# KiCad board helios-panel.kicad_pcb (continued)
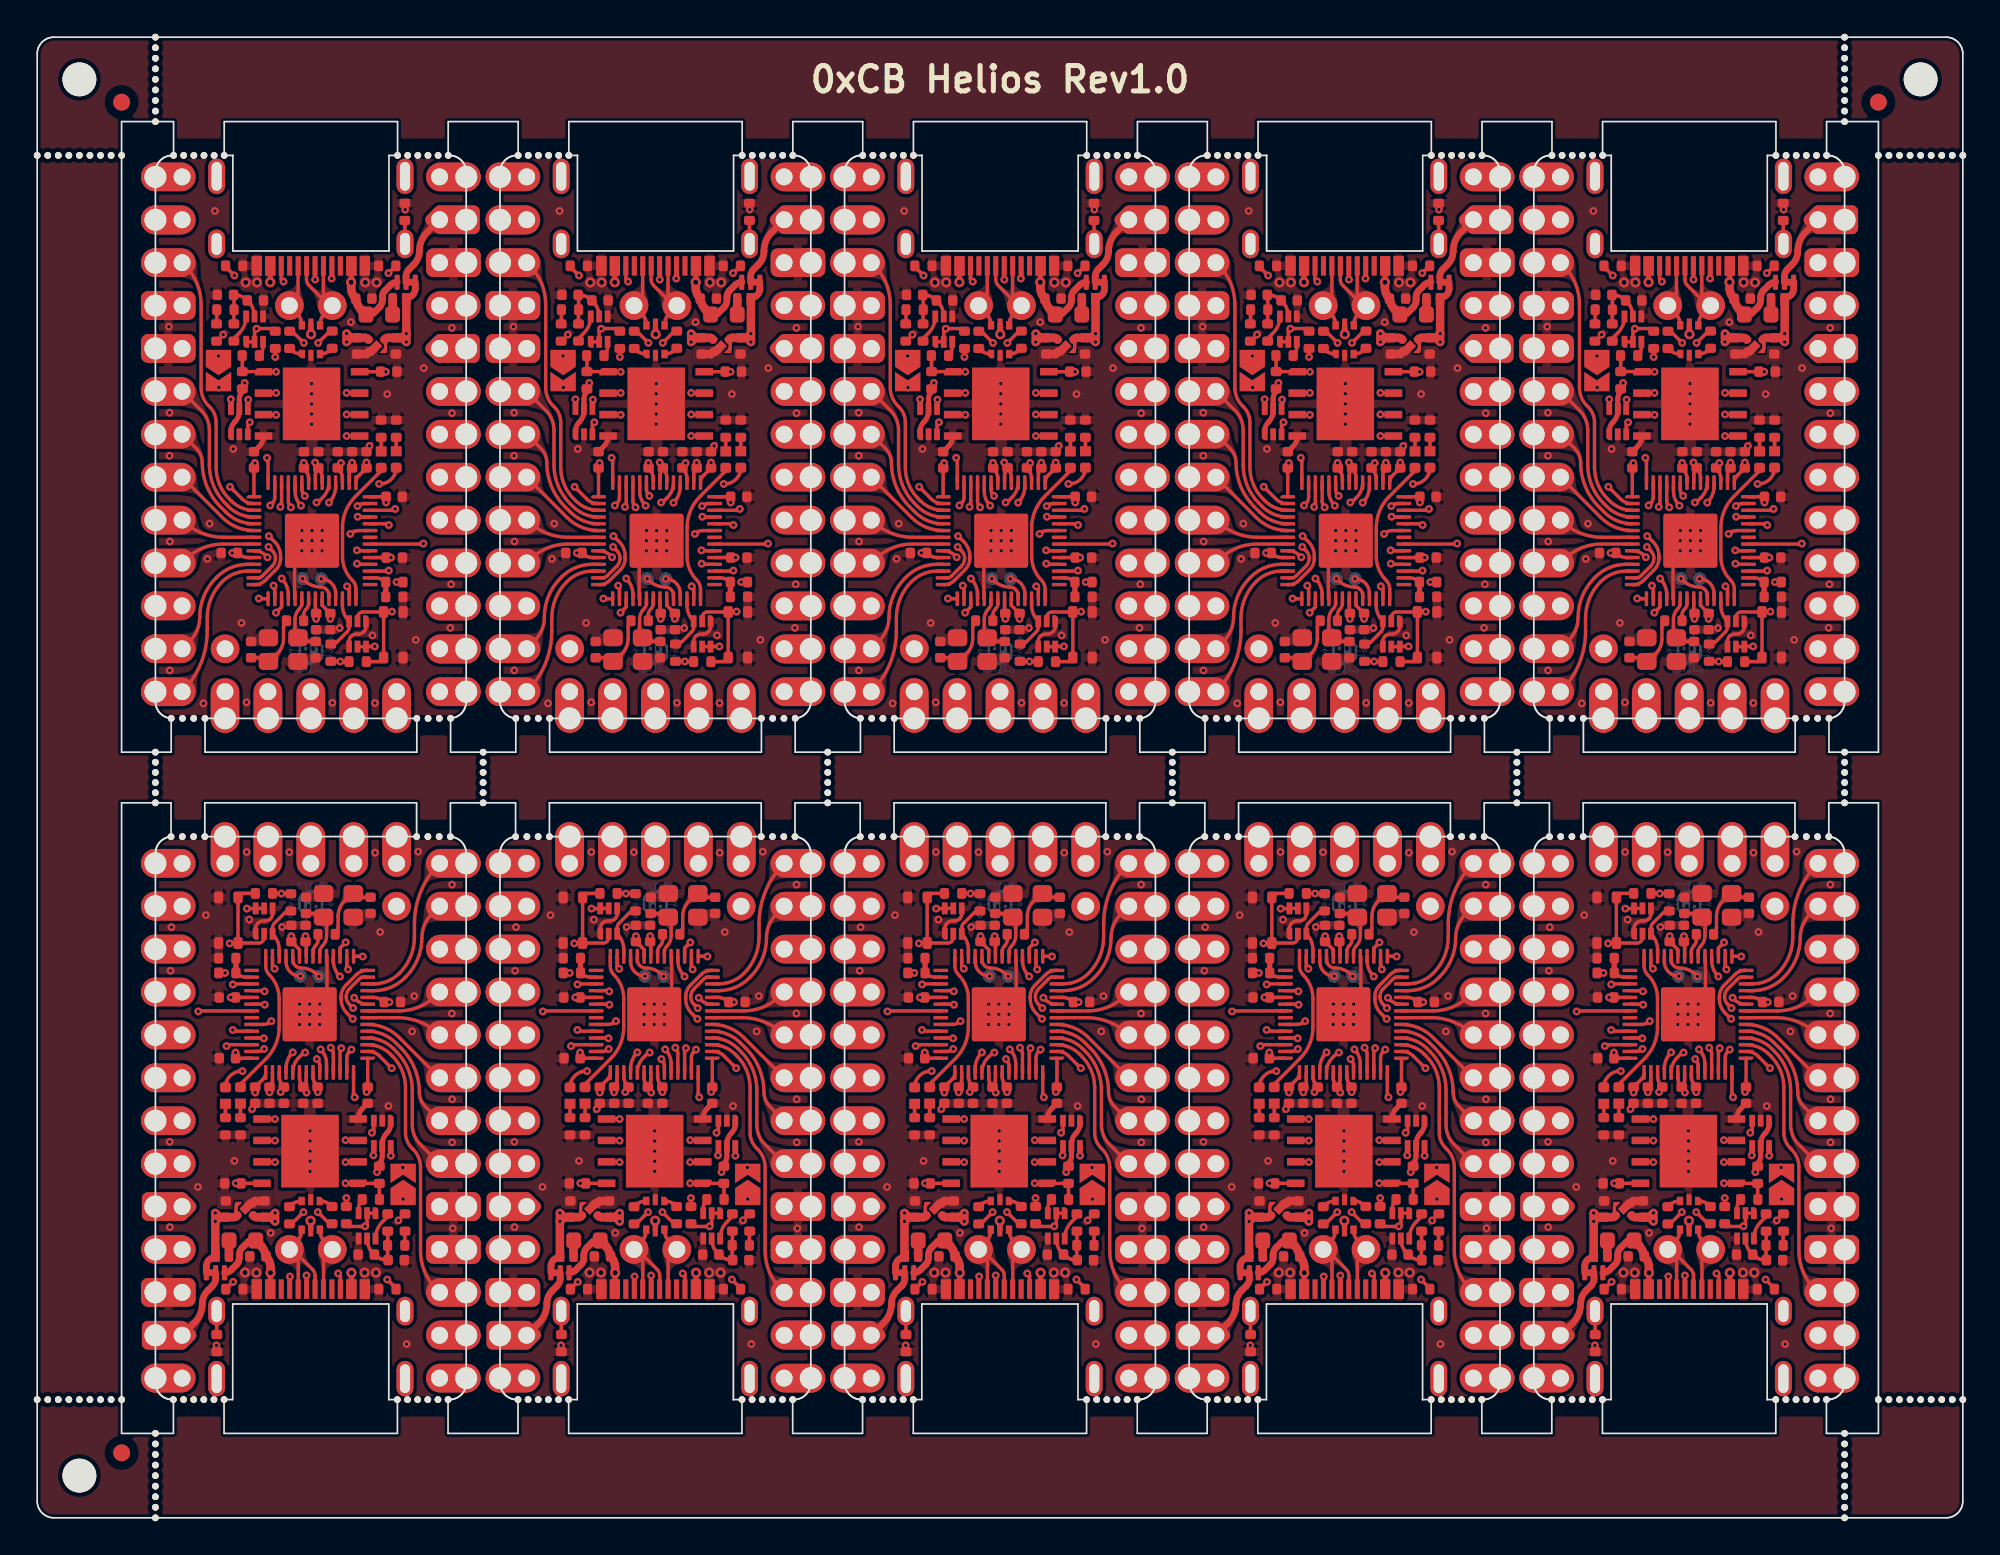
[diagram p0: board, top side]
## Footprints (pads in the part's own frame, mm; a bottom-side part is the same pattern mirrored in y, then rotated) (continued)
NPTH
  round 0.4 hole 0.4 unplated: (0,0)
NPTH#2
  round 2 hole 2 unplated: (0,0)
R_0402_1005Metric
  rrect 0.54x0.64 smd: 1(-0.51,0) 2(0.51,0)
RP2040-QFN-56
  rrect 1.084x1.084 smd: (-0.637,0.637) (-0.637,-0.637) (0.637,0.637) (0.637,-0.637)
  rrect 0.875x0.2 smd: 1(-3.438,2.6) 2(-3.438,2.2) 3(-3.438,1.8) 4(-3.438,1.4) 5(-3.438,1) 6(-3.438,0.6) 7(-3.438,0.2) 8(-3.438,-0.2) 9(-3.438,-0.6) 10(-3.438,-1) 11(-3.438,-1.4) 12(-3.438,-1.8) 13(-3.438,-2.2) 14(-3.438,-2.6) 29(3.438,-2.6) 30(3.438,-2.2) 31(3.438,-1.8) 32(3.438,-1.4) 33(3.438,-1) 34(3.438,-0.6) 35(3.438,-0.2) 36(3.438,0.2) 37(3.438,0.6) 38(3.438,1) 39(3.438,1.4) 40(3.438,1.8) 41(3.438,2.2) 42(3.438,2.6)
  rrect 0.2x0.875 smd: 15(-2.6,-3.438) 16(-2.2,-3.438) 17(-1.8,-3.438) 18(-1.4,-3.438) 19(-1,-3.438) 20(-0.6,-3.438) 21(-0.2,-3.438) 22(0.2,-3.438) 23(0.6,-3.438) 24(1,-3.438) 25(1.4,-3.438) 26(1.8,-3.438) 27(2.2,-3.438) 28(2.6,-3.438) 43(2.6,3.438) 44(2.2,3.438) 45(1.8,3.438) 46(1.4,3.438) 47(1,3.438) 48(0.6,3.438) 49(0.2,3.438) 50(-0.2,3.438) 51(-0.6,3.438) 52(-1,3.438) 53(-1.4,3.438) 54(-1.8,3.438) 55(-2.2,3.438) 56(-2.6,3.438)
  rrect 3.2x3.2 smd: 57(0,0)
SOD882D
  rect 0.5x0.7 smd: 1(0.4,0)
  rrect 0.5x0.7 smd: 2(-0.4,0)
SolderJumper-2_P1.3mm_Open_TrianglePad1.0x1.5mm
  custom 1.5x1.5 smd: 1(-0.725,0)
  custom 1.15x1.5 smd: 2(0.725,0)
SolderJumper-3_P1.3mm_Bridged12_RoundedPad1.0x1.5mm_NumberLabels
  rrect 0.3x0.9 smd: 1(-0.55,0) 2(0,0) 3(0.525,0)
SOT-563
  rrect 0.7x0.34 smd: 1(-0.75,0.5)
  rect 0.7x0.34 smd: 2(-0.75,0) 3(-0.75,-0.5) 4(0.75,-0.5) 5(0.75,0) 6(0.75,0.5)
SOT-666
  rrect 0.5x0.375 smd: 1(-0.85,0.537)
  rect 0.65x0.3 smd: 2(-0.925,0) 5(0.925,0)
  rect 0.5x0.375 smd: 3(-0.85,-0.537) 4(0.85,-0.537) 6(0.85,0.537)
TestPoint_Pad_D0.8mm
  round 0.8 smd: 1(0,0)
W25Q128JVPIQ
  rrect 1.04x0.44 smd: 1(-2.845,1.905) 2(-2.845,0.635) 3(-2.845,-0.635) 4(-2.845,-1.905) 5(2.845,-1.905) 6(2.845,-0.635) 7(2.845,0.635) 8(2.845,1.905)
  rect 3.4x4.3 smd: 9(0,0)
X2SON-4
  custom 0.425x0.28 smd: 1(-0.435,0.335) 2(-0.435,-0.335) 3(0.435,-0.335) 4(0.435,0.335)
  rect 0.48x0.48 smd rot 135: 5(0,0)

## Nets
Board_0-/VBUS_DETECT: R16#7.2 R17#10.1 U4#7.30
Board_1-/VBUS_DETECT: R16#9.2 R17#7.1 U4#9.30
Board_2-/VBUS_DETECT: R16#4.2 R17.1 U4#3.30
Board_3-/VBUS_DETECT: R16.2 R17#2.1 U4#5.30
Board_4-/VBUS_DETECT: R16#2.2 R17#3.1 U4#2.30
Board_5-/VBUS_DETECT: R16#3.2 R17#4.1 U4#6.30
Board_6-/VBUS_DETECT: R16#5.2 R17#5.1 U4#10.30
Board_7-/VBUS_DETECT: R16#6.2 R17#6.1 U4#8.30
Board_8-/VBUS_DETECT: R16#8.2 R17#8.1 U4#4.30
Board_9-/VBUS_DETECT: R16#10.2 R17#9.1 U4.30
Board_0-+1V1: C10#2.2 C17#7.1 C19#6.1 U4#7.23 U4#7.45 U4#7.50
Board_0-+3V3: C5#5.1 C6#8.1 C9#7.2 C11#3.1 C12#4.1 C13#5.1 C14#10.1 C15#10.1 C16#2.1 C18.1 J2#7.27 JP1#3.1 R1#5.1 R2#3.1 R3#4.1 R11.1 U2#4.1 U3#4.8 U4#7.1 U4#7.10 U4#7.22 U4#7.33 U4#7.42 U4#7.43 U4#7.44 U4#7.48 U4#7.49 U5.1 U5.5
Board_0-+5V: C4#6.1 D3#7.1 JP2#7.1 U1#9.5 U2#4.3 U2#4.4 U5.6
Board_0-/0_TX0: J2#7.2 U4#7.2
Board_0-/1_RX0: J2#7.3 U4#7.3
Board_0-/2_SDA1: J2#7.6 U4#7.4
Board_0-/3_SCL1: J2#7.7 U4#7.5
Board_0-/4: J2#7.8 U4#7.6
Board_0-/5: J2#7.9 U4#7.7
Board_0-/6: J2#7.10 U4#7.8
Board_0-/7: J2#7.11 U4#7.9
Board_0-/8: J2#7.12 U4#7.11
Board_0-/9: J2#7.13 U4#7.12
Board_0-/10: J2#7.1 U4#7.13
Board_0-/11: J2#7.31 U4#7.14
Board_0-/12: J2#7.14 U4#7.15
Board_0-/13: J2#7.15 U4#7.16
Board_0-/14: J2#7.16 U4#7.17
Board_0-/15: J2#7.17 U4#7.18
Board_0-/16: J2#7.18 U4#7.27
Board_0-/20_SDI: J2#7.21 U4#7.31
Board_0-/21_CS: J2#7.19 U4#7.32
Board_0-/22_SCK: J2#7.22 U4#7.34
Board_0-/23_SDO: J2#7.20 U4#7.35
Board_0-/A0: J2#7.23 U4#7.38
Board_0-/A1: J2#7.24 U4#7.39
Board_0-/A2: J2#7.25 U4#7.40
Board_0-/A3: J2#7.26 U4#7.41
Board_0-/BOOT: Q2#2.3 R9.2
Board_0-/D+: R12#2.2 U4#7.47
Board_0-/D-: R13#6.2 U4#7.46
Board_0-/LED: D2#5.2 U4#7.28
Board_0-/PORT+: J1#8.A6 J1#8.B6 J2#7.34 U1#9.6
Board_0-/PORT-: J1#8.A7 J1#8.B7 J2#7.33 U1#9.4
Board_0-/QSPI_CLK: U3#4.6 U4#7.52
Board_0-/QSPI_CS: R9.1 R11.2 U3#4.1 U4#7.56
Board_0-/QSPI_SD0: U3#4.5 U4#7.53
Board_0-/QSPI_SD1: U3#4.2 U4#7.55
Board_0-/QSPI_SD2: U3#4.3 U4#7.54
Board_0-/QSPI_SD3: U3#4.7 U4#7.51
Board_0-/RAW: J2#7.30 JP2#7.2
Board_0-/RESET: J2#7.28 Q1#7.2 R1#5.2 SW1#6.2
Board_0-/RGB_5V: J2#7.32 U5.4
Board_0-/RGB_DO: U4#7.37 U5.3
Board_0-/RST: Q1#7.3 R3#4.2 U4#7.26
Board_0-/SWD_CLK: TP1.1 U4#7.24
Board_0-/SWD_IO: TP2#3.1 U4#7.25
Board_0-/USB+: R12#2.1 U1#9.1
Board_0-/USB-: R13#6.1 U1#9.3
Board_0-GND: C1#2.2 C2#7.2 C3#4.2 C4#6.2 C5#5.2 C6#8.2 C7#7.1 C8#2.1 C9#7.1 C10#2.1 C11#3.2 C12#4.2 C13#5.2 C14#10.2 C15#10.2 C16#2.2 C17#7.2 C18.2 C19#6.2 FB1.2 J1#8.A1 J1#8.A12 J1#8.B1 J1#8.B12 J2#7.4 J2#7.5 J2#7.29 Q1#7.1 Q1#7.4 Q2#2.4 R6#6.2 R7#2.1 R8.1 R10.2 R15#7.2 R17#10.2 SW1#6.1 U1#9.2 U2#4.2 U2#4.5 U3#4.4 U3#4.9 U4#7.19 U4#7.57 U5.2 Y1#2.2 Y1#2.4
Board_0-Net-(C8-Pad2): C8#2.2 R14.1 Y1#2.1
Board_0-Net-(D1-A): D1#9.2 JP1#3.2
Board_0-Net-(D1-K): D1#9.1 R10.1
Board_0-Net-(D2-K): D2#5.1 R15#7.1
Board_0-Net-(D3-A): D3#7.2 F1.2
Board_0-Net-(J1-CC1): J1#8.A5 R7#2.2
Board_0-Net-(J1-CC2): J1#8.B5 R8.2
Board_0-Net-(J1-SHIELD): FB1.1 J1#8.S1
Board_0-Net-(Q1A-D): Q1#7.5 Q1#7.6 Q2#2.1 Q2#2.2 R2#3.2
Board_0-Net-(Q2A-D): Q2#2.6 R4.1
Board_0-Net-(Q2B-G): C1#2.1 C2#7.1 Q2#2.5 R4.2 R5#7.1
Board_0-Net-(R5-Pad2): R5#7.2 R6#6.1
Board_0-Net-(U4-XTAL_IN): C7#7.2 U4#7.20 Y1#2.3
Board_0-Net-(U4-XTAL_OUT): R14.2 U4#7.21
Board_0-unconnected-(J1-SBU1-PadA8): J1#8.A8
Board_0-unconnected-(J1-SBU2-PadB8): J1#8.B8
Board_0-unconnected-(U4-GPIO18-Pad29): U4#7.29
Board_0-unconnected-(U4-GPIO24-Pad36): U4#7.36
Board_0-VBUS: C3#4.1 F1.1 J1#8.A4 J1#8.A9 J1#8.B4 J1#8.B9 JP2#7.3 R16#7.1
Board_1-+1V1: C10#4.2 C17#6.1 C19#8.1 U4#9.23 U4#9.45 U4#9.50
Board_1-+3V3: C5#7.1 C6#9.1 C9#9.2 C11#4.1 C12#5.1 C13#6.1 C14.1 C15#8.1 C16#3.1 C18#7.1 J2.27 JP1#2.1 R1#7.1 R2.1 R3#6.1 R11#2.1 U2#6.1 U3#5.8 U4#9.1 U4#9.10 U4#9.22 U4#9.33 U4#9.42 U4#9.43 U4#9.44 U4#9.48 U4#9.49 U5#3.1 U5#3.5
Board_1-+5V: C4#7.1 D3#9.1 JP2#6.1 U1#10.5 U2#6.3 U2#6.4 U5#3.6
Board_1-/0_TX0: J2.2 U4#9.2
Board_1-/1_RX0: J2.3 U4#9.3
Board_1-/2_SDA1: J2.6 U4#9.4
Board_1-/3_SCL1: J2.7 U4#9.5
Board_1-/4: J2.8 U4#9.6
Board_1-/5: J2.9 U4#9.7
Board_1-/6: J2.10 U4#9.8
Board_1-/7: J2.11 U4#9.9
Board_1-/8: J2.12 U4#9.11
Board_1-/9: J2.13 U4#9.12
Board_1-/10: J2.1 U4#9.13
Board_1-/11: J2.31 U4#9.14
Board_1-/12: J2.14 U4#9.15
Board_1-/13: J2.15 U4#9.16
Board_1-/14: J2.16 U4#9.17
Board_1-/15: J2.17 U4#9.18
Board_1-/16: J2.18 U4#9.27
Board_1-/20_SDI: J2.21 U4#9.31
Board_1-/21_CS: J2.19 U4#9.32
Board_1-/22_SCK: J2.22 U4#9.34
Board_1-/23_SDO: J2.20 U4#9.35
Board_1-/A0: J2.23 U4#9.38
Board_1-/A1: J2.24 U4#9.39
Board_1-/A2: J2.25 U4#9.40
Board_1-/A3: J2.26 U4#9.41
Board_1-/BOOT: Q2#4.3 R9#3.2
Board_1-/D+: R12#3.2 U4#9.47
Board_1-/D-: R13#7.2 U4#9.46
Board_1-/LED: D2#6.2 U4#9.28
Board_1-/PORT+: J1#3.A6 J1#3.B6 J2.34 U1#10.6
Board_1-/PORT-: J1#3.A7 J1#3.B7 J2.33 U1#10.4
Board_1-/QSPI_CLK: U3#5.6 U4#9.52
Board_1-/QSPI_CS: R9#3.1 R11#2.2 U3#5.1 U4#9.56
Board_1-/QSPI_SD0: U3#5.5 U4#9.53
Board_1-/QSPI_SD1: U3#5.2 U4#9.55
Board_1-/QSPI_SD2: U3#5.3 U4#9.54
Board_1-/QSPI_SD3: U3#5.7 U4#9.51
Board_1-/RAW: J2.30 JP2#6.2
Board_1-/RESET: J2.28 Q1#9.2 R1#7.2 SW1.2
Board_1-/RGB_5V: J2.32 U5#3.4
Board_1-/RGB_DO: U4#9.37 U5#3.3
Board_1-/RST: Q1#9.3 R3#6.2 U4#9.26
Board_1-/SWD_CLK: TP1#2.1 U4#9.24
Board_1-/SWD_IO: TP2#4.1 U4#9.25
Board_1-/USB+: R12#3.1 U1#10.1
Board_1-/USB-: R13#7.1 U1#10.3
Board_1-GND: C1.2 C2#9.2 C3#7.2 C4#7.2 C5#7.2 C6#9.2 C7#9.1 C8#3.1 C9#9.1 C10#4.1 C11#4.2 C12#5.2 C13#6.2 C14.2 C15#8.2 C16#3.2 C17#6.2 C18#7.2 C19#8.2 FB1#2.2 J1#3.A1 J1#3.A12 J1#3.B1 J1#3.B12 J2.4 J2.5 J2.29 Q1#9.1 Q1#9.4 Q2#4.4 R6#7.2 R7.1 R8#2.1 R10#2.2 R15#9.2 R17#7.2 SW1.1 U1#10.2 U2#6.2 U2#6.5 U3#5.4 U3#5.9 U4#9.19 U4#9.57 U5#3.2 Y1#4.2 Y1#4.4
Board_1-Net-(C8-Pad2): C8#3.2 R14#4.1 Y1#4.1
Board_1-Net-(D1-A): D1#3.2 JP1#2.2
Board_1-Net-(D1-K): D1#3.1 R10#2.1
Board_1-Net-(D2-K): D2#6.1 R15#9.1
Board_1-Net-(D3-A): D3#9.2 F1#2.2
Board_1-Net-(J1-CC1): J1#3.A5 R7.2
Board_1-Net-(J1-CC2): J1#3.B5 R8#2.2
Board_1-Net-(J1-SHIELD): FB1#2.1 J1#3.S1
Board_1-Net-(Q1A-D): Q1#9.5 Q1#9.6 Q2#4.1 Q2#4.2 R2.2
Board_1-Net-(Q2A-D): Q2#4.6 R4#2.1
Board_1-Net-(Q2B-G): C1.1 C2#9.1 Q2#4.5 R4#2.2 R5#8.1
Board_1-Net-(R5-Pad2): R5#8.2 R6#7.1
Board_1-Net-(U4-XTAL_IN): C7#9.2 U4#9.20 Y1#4.3
Board_1-Net-(U4-XTAL_OUT): R14#4.2 U4#9.21
Board_1-unconnected-(J1-SBU1-PadA8): J1#3.A8
Board_1-unconnected-(J1-SBU2-PadB8): J1#3.B8
Board_1-unconnected-(U4-GPIO18-Pad29): U4#9.29
Board_1-unconnected-(U4-GPIO24-Pad36): U4#9.36
Board_1-VBUS: C3#7.1 F1#2.1 J1#3.A4 J1#3.A9 J1#3.B4 J1#3.B9 JP2#6.3 R16#9.1
Board_2-+1V1: C10#7.2 C17#8.1 C19#3.1 U4#3.23 U4#3.45 U4#3.50
Board_2-+3V3: C5#6.1 C6#10.1 C9.2 C11#5.1 C12#6.1 C13#7.1 C14#2.1 C15#3.1 C16#5.1 C18#2.1 J2#10.27 JP1#7.1 R1#8.1 R2#5.1 R3.1 R11#3.1 U2#2.1 U3#8.8 U4#3.1 U4#3.10 U4#3.22 U4#3.33 U4#3.42 U4#3.43 U4#3.44 U4#3.48 U4#3.49 U5#6.1 U5#6.5
Board_2-+5V: C4#8.1 D3#10.1 JP2#3.1 U1.5 U2#2.3 U2#2.4 U5#6.6
Board_2-/0_TX0: J2#10.2 U4#3.2
Board_2-/1_RX0: J2#10.3 U4#3.3
Board_2-/2_SDA1: J2#10.6 U4#3.4
Board_2-/3_SCL1: J2#10.7 U4#3.5
Board_2-/4: J2#10.8 U4#3.6
Board_2-/5: J2#10.9 U4#3.7
Board_2-/6: J2#10.10 U4#3.8
Board_2-/7: J2#10.11 U4#3.9
Board_2-/8: J2#10.12 U4#3.11
Board_2-/9: J2#10.13 U4#3.12
Board_2-/10: J2#10.1 U4#3.13
Board_2-/11: J2#10.31 U4#3.14
Board_2-/12: J2#10.14 U4#3.15
Board_2-/13: J2#10.15 U4#3.16
Board_2-/14: J2#10.16 U4#3.17
Board_2-/15: J2#10.17 U4#3.18
Board_2-/16: J2#10.18 U4#3.27
Board_2-/20_SDI: J2#10.21 U4#3.31
Board_2-/21_CS: J2#10.19 U4#3.32
Board_2-/22_SCK: J2#10.22 U4#3.34
Board_2-/23_SDO: J2#10.20 U4#3.35
Board_2-/A0: J2#10.23 U4#3.38
Board_2-/A1: J2#10.24 U4#3.39
Board_2-/A2: J2#10.25 U4#3.40
Board_2-/A3: J2#10.26 U4#3.41
Board_2-/BOOT: Q2#5.3 R9#4.2
Board_2-/D+: R12#4.2 U4#3.47
Board_2-/D-: R13#9.2 U4#3.46
Board_2-/LED: D2#7.2 U4#3.28
Board_2-/PORT+: J1#5.A6 J1#5.B6 J2#10.34 U1.6
Board_2-/PORT-: J1#5.A7 J1#5.B7 J2#10.33 U1.4
Board_2-/QSPI_CLK: U3#8.6 U4#3.52
Board_2-/QSPI_CS: R9#4.1 R11#3.2 U3#8.1 U4#3.56
Board_2-/QSPI_SD0: U3#8.5 U4#3.53
Board_2-/QSPI_SD1: U3#8.2 U4#3.55
Board_2-/QSPI_SD2: U3#8.3 U4#3.54
Board_2-/QSPI_SD3: U3#8.7 U4#3.51
Board_2-/RAW: J2#10.30 JP2#3.2
Board_2-/RESET: J2#10.28 Q1#10.2 R1#8.2 SW1#4.2
Board_2-/RGB_5V: J2#10.32 U5#6.4
Board_2-/RGB_DO: U4#3.37 U5#6.3
Board_2-/RST: Q1#10.3 R3.2 U4#3.26
Board_2-/SWD_CLK: TP1#3.1 U4#3.24
Board_2-/SWD_IO: TP2#5.1 U4#3.25
Board_2-/USB+: R12#4.1 U1.1
Board_2-/USB-: R13#9.1 U1.3
Board_2-GND: C1#4.2 C2#8.2 C3#6.2 C4#8.2 C5#6.2 C6#10.2 C7#2.1 C8#5.1 C9.1 C10#7.1 C11#5.2 C12#6.2 C13#7.2 C14#2.2 C15#3.2 C16#5.2 C17#8.2 C18#2.2 C19#3.2 FB1#3.2 J1#5.A1 J1#5.A12 J1#5.B1 J1#5.B12 J2#10.4 J2#10.5 J2#10.29 Q1#10.1 Q1#10.4 Q2#5.4 R6#8.2 R7#5.1 R8#3.1 R10#4.2 R15#10.2 R17.2 SW1#4.1 U1.2 U2#2.2 U2#2.5 U3#8.4 U3#8.9 U4#3.19 U4#3.57 U5#6.2 Y1#6.2 Y1#6.4
Board_2-Net-(C8-Pad2): C8#5.2 R14#6.1 Y1#6.1
Board_2-Net-(D1-A): D1#5.2 JP1#7.2
Board_2-Net-(D1-K): D1#5.1 R10#4.1
Board_2-Net-(D2-K): D2#7.1 R15#10.1
Board_2-Net-(D3-A): D3#10.2 F1#8.2
Board_2-Net-(J1-CC1): J1#5.A5 R7#5.2
Board_2-Net-(J1-CC2): J1#5.B5 R8#3.2
Board_2-Net-(J1-SHIELD): FB1#3.1 J1#5.S1
Board_2-Net-(Q1A-D): Q1#10.5 Q1#10.6 Q2#5.1 Q2#5.2 R2#5.2
Board_2-Net-(Q2A-D): Q2#5.6 R4#3.1
Board_2-Net-(Q2B-G): C1#4.1 C2#8.1 Q2#5.5 R4#3.2 R5#9.1
Board_2-Net-(R5-Pad2): R5#9.2 R6#8.1
Board_2-Net-(U4-XTAL_IN): C7#2.2 U4#3.20 Y1#6.3
Board_2-Net-(U4-XTAL_OUT): R14#6.2 U4#3.21
Board_2-unconnected-(J1-SBU1-PadA8): J1#5.A8
Board_2-unconnected-(J1-SBU2-PadB8): J1#5.B8
Board_2-unconnected-(U4-GPIO18-Pad29): U4#3.29
Board_2-unconnected-(U4-GPIO24-Pad36): U4#3.36
Board_2-VBUS: C3#6.1 F1#8.1 J1#5.A4 J1#5.A9 J1#5.B4 J1#5.B9 JP2#3.3 R16#4.1
Board_3-+1V1: C10#6.2 C17#9.1 C19#4.1 U4#5.23 U4#5.45 U4#5.50
Board_3-+3V3: C5#9.1 C6#4.1 C9#2.2 C11.1 C12#7.1 C13#8.1 C14#3.1 C15#5.1 C16#8.1 C18#9.1 J2#6.27 JP1#5.1 R1#2.1 R2#4.1 R3#8.1 R11#4.1 U2.1 U3#9.8 U4#5.1 U4#5.10 U4#5.22 U4#5.33 U4#5.42 U4#5.43 U4#5.44 U4#5.48 U4#5.49 U5#9.1 U5#9.5
Board_3-+5V: C4#9.1 D3#8.1 JP2#5.1 U1#2.5 U2.3 U2.4 U5#9.6
Board_3-/0_TX0: J2#6.2 U4#5.2
Board_3-/1_RX0: J2#6.3 U4#5.3
Board_3-/2_SDA1: J2#6.6 U4#5.4
Board_3-/3_SCL1: J2#6.7 U4#5.5
Board_3-/4: J2#6.8 U4#5.6
Board_3-/5: J2#6.9 U4#5.7
Board_3-/6: J2#6.10 U4#5.8
Board_3-/7: J2#6.11 U4#5.9
Board_3-/8: J2#6.12 U4#5.11
Board_3-/9: J2#6.13 U4#5.12
Board_3-/10: J2#6.1 U4#5.13
Board_3-/11: J2#6.31 U4#5.14
Board_3-/12: J2#6.14 U4#5.15
Board_3-/13: J2#6.15 U4#5.16
Board_3-/14: J2#6.16 U4#5.17
Board_3-/15: J2#6.17 U4#5.18
Board_3-/16: J2#6.18 U4#5.27
Board_3-/20_SDI: J2#6.21 U4#5.31
Board_3-/21_CS: J2#6.19 U4#5.32
Board_3-/22_SCK: J2#6.22 U4#5.34
Board_3-/23_SDO: J2#6.20 U4#5.35
Board_3-/A0: J2#6.23 U4#5.38
Board_3-/A1: J2#6.24 U4#5.39
Board_3-/A2: J2#6.25 U4#5.40
Board_3-/A3: J2#6.26 U4#5.41
Board_3-/BOOT: Q2#7.3 R9#6.2
Board_3-/D+: R12#5.2 U4#5.47
Board_3-/D-: R13#10.2 U4#5.46
Board_3-/LED: D2#9.2 U4#5.28
Board_3-/PORT+: J1.A6 J1.B6 J2#6.34 U1#2.6
Board_3-/PORT-: J1.A7 J1.B7 J2#6.33 U1#2.4
Board_3-/QSPI_CLK: U3#9.6 U4#5.52
Board_3-/QSPI_CS: R9#6.1 R11#4.2 U3#9.1 U4#5.56
Board_3-/QSPI_SD0: U3#9.5 U4#5.53
Board_3-/QSPI_SD1: U3#9.2 U4#5.55
Board_3-/QSPI_SD2: U3#9.3 U4#5.54
Board_3-/QSPI_SD3: U3#9.7 U4#5.51
Board_3-/RAW: J2#6.30 JP2#5.2
Board_3-/RESET: J2#6.28 Q1#4.2 R1#2.2 SW1#9.2
Board_3-/RGB_5V: J2#6.32 U5#9.4
Board_3-/RGB_DO: U4#5.37 U5#9.3
Board_3-/RST: Q1#4.3 R3#8.2 U4#5.26
Board_3-/SWD_CLK: TP1#4.1 U4#5.24
Board_3-/SWD_IO: TP2#6.1 U4#5.25
Board_3-/USB+: R12#5.1 U1#2.1
Board_3-/USB-: R13#10.1 U1#2.3
Board_3-GND: C1#6.2 C2#10.2 C3#8.2 C4#9.2 C5#9.2 C6#4.2 C7#8.1 C8#7.1 C9#2.1 C10#6.1 C11.2 C12#7.2 C13#8.2 C14#3.2 C15#5.2 C16#8.2 C17#9.2 C18#9.2 C19#4.2 FB1#4.2 J1.A1 J1.A12 J1.B1 J1.B12 J2#6.4 J2#6.5 J2#6.29 Q1#4.1 Q1#4.4 Q2#7.4 R6#9.2 R7#4.1 R8#4.1 R10#6.2 R15.2 R17#2.2 SW1#9.1 U1#2.2 U2.2 U2.5 U3#9.4 U3#9.9 U4#5.19 U4#5.57 U5#9.2 Y1#8.2 Y1#8.4
Board_3-Net-(C8-Pad2): C8#7.2 R14#7.1 Y1#8.1
Board_3-Net-(D1-A): D1#6.2 JP1#5.2
Board_3-Net-(D1-K): D1#6.1 R10#6.1
Board_3-Net-(D2-K): D2#9.1 R15.1
Board_3-Net-(D3-A): D3#8.2 F1#9.2
Board_3-Net-(J1-CC1): J1.A5 R7#4.2
Board_3-Net-(J1-CC2): J1.B5 R8#4.2
Board_3-Net-(J1-SHIELD): FB1#4.1 J1.S1
Board_3-Net-(Q1A-D): Q1#4.5 Q1#4.6 Q2#7.1 Q2#7.2 R2#4.2
Board_3-Net-(Q2A-D): Q2#7.6 R4#4.1
Board_3-Net-(Q2B-G): C1#6.1 C2#10.1 Q2#7.5 R4#4.2 R5#10.1
Board_3-Net-(R5-Pad2): R5#10.2 R6#9.1
Board_3-Net-(U4-XTAL_IN): C7#8.2 U4#5.20 Y1#8.3
Board_3-Net-(U4-XTAL_OUT): R14#7.2 U4#5.21
Board_3-unconnected-(J1-SBU1-PadA8): J1.A8
Board_3-unconnected-(J1-SBU2-PadB8): J1.B8
Board_3-unconnected-(U4-GPIO18-Pad29): U4#5.29
Board_3-unconnected-(U4-GPIO24-Pad36): U4#5.36
Board_3-VBUS: C3#8.1 F1#9.1 J1.A4 J1.A9 J1.B4 J1.B9 JP2#5.3 R16.1
Board_4-+1V1: C10#3.2 C17#10.1 C19#5.1 U4#2.23 U4#2.45 U4#2.50
Board_4-+3V3: C5#8.1 C6#5.1 C9#3.2 C11#2.1 C12#8.1 C13#9.1 C14#4.1 C15.1 C16#9.1 C18#6.1 J2#5.27 JP1#9.1 R1#3.1 R2#6.1 R3#3.1 R11#5.1 U2#10.1 U3#10.8 U4#2.1 U4#2.10 U4#2.22 U4#2.33 U4#2.42 U4#2.43 U4#2.44 U4#2.48 U4#2.49 U5#10.1 U5#10.5
Board_4-+5V: C4#10.1 D3.1 JP2#8.1 U1#4.5 U2#10.3 U2#10.4 U5#10.6
Board_4-/0_TX0: J2#5.2 U4#2.2
Board_4-/1_RX0: J2#5.3 U4#2.3
Board_4-/2_SDA1: J2#5.6 U4#2.4
Board_4-/3_SCL1: J2#5.7 U4#2.5
Board_4-/4: J2#5.8 U4#2.6
Board_4-/5: J2#5.9 U4#2.7
Board_4-/6: J2#5.10 U4#2.8
Board_4-/7: J2#5.11 U4#2.9
Board_4-/8: J2#5.12 U4#2.11
Board_4-/9: J2#5.13 U4#2.12
Board_4-/10: J2#5.1 U4#2.13
Board_4-/11: J2#5.31 U4#2.14
Board_4-/12: J2#5.14 U4#2.15
Board_4-/13: J2#5.15 U4#2.16
Board_4-/14: J2#5.16 U4#2.17
Board_4-/15: J2#5.17 U4#2.18
Board_4-/16: J2#5.18 U4#2.27
Board_4-/20_SDI: J2#5.21 U4#2.31
Board_4-/21_CS: J2#5.19 U4#2.32
Board_4-/22_SCK: J2#5.22 U4#2.34
Board_4-/23_SDO: J2#5.20 U4#2.35
Board_4-/A0: J2#5.23 U4#2.38
Board_4-/A1: J2#5.24 U4#2.39
Board_4-/A2: J2#5.25 U4#2.40
Board_4-/A3: J2#5.26 U4#2.41
Board_4-/BOOT: Q2#8.3 R9#8.2
Board_4-/D+: R12#6.2 U4#2.47
Board_4-/D-: R13.2 U4#2.46
Board_4-/LED: D2#8.2 U4#2.28
Board_4-/PORT+: J1#10.A6 J1#10.B6 J2#5.34 U1#4.6
Board_4-/PORT-: J1#10.A7 J1#10.B7 J2#5.33 U1#4.4
Board_4-/QSPI_CLK: U3#10.6 U4#2.52
Board_4-/QSPI_CS: R9#8.1 R11#5.2 U3#10.1 U4#2.56
Board_4-/QSPI_SD0: U3#10.5 U4#2.53
Board_4-/QSPI_SD1: U3#10.2 U4#2.55
Board_4-/QSPI_SD2: U3#10.3 U4#2.54
Board_4-/QSPI_SD3: U3#10.7 U4#2.51
Board_4-/RAW: J2#5.30 JP2#8.2
Board_4-/RESET: J2#5.28 Q1#3.2 R1#3.2 SW1#10.2
Board_4-/RGB_5V: J2#5.32 U5#10.4
Board_4-/RGB_DO: U4#2.37 U5#10.3
Board_4-/RST: Q1#3.3 R3#3.2 U4#2.26
Board_4-/SWD_CLK: TP1#5.1 U4#2.24
Board_4-/SWD_IO: TP2#7.1 U4#2.25
Board_4-/USB+: R12#6.1 U1#4.1
Board_4-/USB-: R13.1 U1#4.3
Board_4-GND: C1#5.2 C2.2 C3#10.2 C4#10.2 C5#8.2 C6#5.2 C7#10.1 C8#9.1 C9#3.1 C10#3.1 C11#2.2 C12#8.2 C13#9.2 C14#4.2 C15.2 C16#9.2 C17#10.2 C18#6.2 C19#5.2 FB1#5.2 J1#10.A1 J1#10.A12 J1#10.B1 J1#10.B12 J2#5.4 J2#5.5 J2#5.29 Q1#3.1 Q1#3.4 Q2#8.4 R6#10.2 R7#6.1 R8#6.1 R10#7.2 R15#2.2 R17#3.2 SW1#10.1 U1#4.2 U2#10.2 U2#10.5 U3#10.4 U3#10.9 U4#2.19 U4#2.57 U5#10.2 Y1#9.2 Y1#9.4
Board_4-Net-(C8-Pad2): C8#9.2 R14#9.1 Y1#9.1
Board_4-Net-(D1-A): D1#7.2 JP1#9.2
Board_4-Net-(D1-K): D1#7.1 R10#7.1
Board_4-Net-(D2-K): D2#8.1 R15#2.1
Board_4-Net-(D3-A): D3.2 F1#10.2
Board_4-Net-(J1-CC1): J1#10.A5 R7#6.2
Board_4-Net-(J1-CC2): J1#10.B5 R8#6.2
Board_4-Net-(J1-SHIELD): FB1#5.1 J1#10.S1
Board_4-Net-(Q1A-D): Q1#3.5 Q1#3.6 Q2#8.1 Q2#8.2 R2#6.2
Board_4-Net-(Q2A-D): Q2#8.6 R4#5.1
Board_4-Net-(Q2B-G): C1#5.1 C2.1 Q2#8.5 R4#5.2 R5#3.1
Board_4-Net-(R5-Pad2): R5#3.2 R6#10.1
Board_4-Net-(U4-XTAL_IN): C7#10.2 U4#2.20 Y1#9.3
Board_4-Net-(U4-XTAL_OUT): R14#9.2 U4#2.21
Board_4-unconnected-(J1-SBU1-PadA8): J1#10.A8
Board_4-unconnected-(J1-SBU2-PadB8): J1#10.B8
Board_4-unconnected-(U4-GPIO18-Pad29): U4#2.29
Board_4-unconnected-(U4-GPIO24-Pad36): U4#2.36
Board_4-VBUS: C3#10.1 F1#10.1 J1#10.A4 J1#10.A9 J1#10.B4 J1#10.B9 JP2#8.3 R16#2.1
Board_5-+1V1: C10.2 C17#5.1 C19#7.1 U4#6.23 U4#6.45 U4#6.50
Board_5-+3V3: C5#10.1 C6#6.1 C9#4.2 C11#8.1 C12#9.1 C13#10.1 C14#5.1 C15#4.1 C16#10.1 C18#3.1 J2#9.27 JP1#6.1 R1#4.1 R2#7.1 R3#5.1 R11#6.1 U2#9.1 U3.8 U4#6.1 U4#6.10 U4#6.22 U4#6.33 U4#6.42 U4#6.43 U4#6.44 U4#6.48 U4#6.49 U5#7.1 U5#7.5
Board_5-+5V: C4.1 D3#3.1 JP2#2.1 U1#6.5 U2#9.3 U2#9.4 U5#7.6
Board_5-/0_TX0: J2#9.2 U4#6.2
Board_5-/1_RX0: J2#9.3 U4#6.3
Board_5-/2_SDA1: J2#9.6 U4#6.4
Board_5-/3_SCL1: J2#9.7 U4#6.5
Board_5-/4: J2#9.8 U4#6.6
Board_5-/5: J2#9.9 U4#6.7
Board_5-/6: J2#9.10 U4#6.8
Board_5-/7: J2#9.11 U4#6.9
Board_5-/8: J2#9.12 U4#6.11
Board_5-/9: J2#9.13 U4#6.12
Board_5-/10: J2#9.1 U4#6.13
Board_5-/11: J2#9.31 U4#6.14
Board_5-/12: J2#9.14 U4#6.15
Board_5-/13: J2#9.15 U4#6.16
Board_5-/14: J2#9.16 U4#6.17
Board_5-/15: J2#9.17 U4#6.18
Board_5-/16: J2#9.18 U4#6.27
Board_5-/20_SDI: J2#9.21 U4#6.31
Board_5-/21_CS: J2#9.19 U4#6.32
Board_5-/22_SCK: J2#9.22 U4#6.34
Board_5-/23_SDO: J2#9.20 U4#6.35
Board_5-/A0: J2#9.23 U4#6.38
Board_5-/A1: J2#9.24 U4#6.39
Board_5-/A2: J2#9.25 U4#6.40
Board_5-/A3: J2#9.26 U4#6.41
Board_5-/BOOT: Q2#9.3 R9#5.2
Board_5-/D+: R12#7.2 U4#6.47
Board_5-/D-: R13#2.2 U4#6.46
Board_5-/LED: D2#10.2 U4#6.28
Board_5-/PORT+: J1#4.A6 J1#4.B6 J2#9.34 U1#6.6
Board_5-/PORT-: J1#4.A7 J1#4.B7 J2#9.33 U1#6.4
Board_5-/QSPI_CLK: U3.6 U4#6.52
Board_5-/QSPI_CS: R9#5.1 R11#6.2 U3.1 U4#6.56
Board_5-/QSPI_SD0: U3.5 U4#6.53
Board_5-/QSPI_SD1: U3.2 U4#6.55
Board_5-/QSPI_SD2: U3.3 U4#6.54
Board_5-/QSPI_SD3: U3.7 U4#6.51
Board_5-/RAW: J2#9.30 JP2#2.2
Board_5-/RESET: J2#9.28 Q1#2.2 R1#4.2 SW1#7.2
Board_5-/RGB_5V: J2#9.32 U5#7.4
Board_5-/RGB_DO: U4#6.37 U5#7.3
Board_5-/RST: Q1#2.3 R3#5.2 U4#6.26
Board_5-/SWD_CLK: TP1#6.1 U4#6.24
Board_5-/SWD_IO: TP2#8.1 U4#6.25
Board_5-/USB+: R12#7.1 U1#6.1
Board_5-/USB-: R13#2.1 U1#6.3
Board_5-GND: C1#8.2 C2#4.2 C3#9.2 C4.2 C5#10.2 C6#6.2 C7#6.1 C8#8.1 C9#4.1 C10.1 C11#8.2 C12#9.2 C13#10.2 C14#5.2 C15#4.2 C16#10.2 C17#5.2 C18#3.2 C19#7.2 FB1#6.2 J1#4.A1 J1#4.A12 J1#4.B1 J1#4.B12 J2#9.4 J2#9.5 J2#9.29 Q1#2.1 Q1#2.4 Q2#9.4 R6.2 R7#8.1 R8#7.1 R10#10.2 R15#4.2 R17#4.2 SW1#7.1 U1#6.2 U2#9.2 U2#9.5 U3.4 U3.9 U4#6.19 U4#6.57 U5#7.2 Y1.2 Y1.4
Board_5-Net-(C8-Pad2): C8#8.2 R14#5.1 Y1.1
Board_5-Net-(D1-A): D1#8.2 JP1#6.2
Board_5-Net-(D1-K): D1#8.1 R10#10.1
Board_5-Net-(D2-K): D2#10.1 R15#4.1
Board_5-Net-(D3-A): D3#3.2 F1#4.2
Board_5-Net-(J1-CC1): J1#4.A5 R7#8.2
Board_5-Net-(J1-CC2): J1#4.B5 R8#7.2
Board_5-Net-(J1-SHIELD): FB1#6.1 J1#4.S1
Board_5-Net-(Q1A-D): Q1#2.5 Q1#2.6 Q2#9.1 Q2#9.2 R2#7.2
Board_5-Net-(Q2A-D): Q2#9.6 R4#6.1
Board_5-Net-(Q2B-G): C1#8.1 C2#4.1 Q2#9.5 R4#6.2 R5#2.1
Board_5-Net-(R5-Pad2): R5#2.2 R6.1
Board_5-Net-(U4-XTAL_IN): C7#6.2 U4#6.20 Y1.3
Board_5-Net-(U4-XTAL_OUT): R14#5.2 U4#6.21
Board_5-unconnected-(J1-SBU1-PadA8): J1#4.A8
Board_5-unconnected-(J1-SBU2-PadB8): J1#4.B8
Board_5-unconnected-(U4-GPIO18-Pad29): U4#6.29
Board_5-unconnected-(U4-GPIO24-Pad36): U4#6.36
Board_5-VBUS: C3#9.1 F1#4.1 J1#4.A4 J1#4.A9 J1#4.B4 J1#4.B9 JP2#2.3 R16#3.1
Board_6-+1V1: C10#5.2 C17.1 C19#2.1 U4#10.23 U4#10.45 U4#10.50
Board_6-+3V3: C5.1 C6#7.1 C9#5.2 C11#9.1 C12#10.1 C13.1 C14#6.1 C15#7.1 C16.1 C18#10.1 J2#4.27 JP1.1 R1#6.1 R2#8.1 R3#7.1 R11#7.1 U2#5.1 U3#7.8 U4#10.1 U4#10.10 U4#10.22 U4#10.33 U4#10.42 U4#10.43 U4#10.44 U4#10.48 U4#10.49 U5#2.1 U5#2.5
Board_6-+5V: C4#2.1 D3#2.1 JP2.1 U1#5.5 U2#5.3 U2#5.4 U5#2.6
Board_6-/0_TX0: J2#4.2 U4#10.2
Board_6-/1_RX0: J2#4.3 U4#10.3
Board_6-/2_SDA1: J2#4.6 U4#10.4
Board_6-/3_SCL1: J2#4.7 U4#10.5
Board_6-/4: J2#4.8 U4#10.6
Board_6-/5: J2#4.9 U4#10.7
Board_6-/6: J2#4.10 U4#10.8
Board_6-/7: J2#4.11 U4#10.9
Board_6-/8: J2#4.12 U4#10.11
Board_6-/9: J2#4.13 U4#10.12
Board_6-/10: J2#4.1 U4#10.13
Board_6-/11: J2#4.31 U4#10.14
Board_6-/12: J2#4.14 U4#10.15
Board_6-/13: J2#4.15 U4#10.16
Board_6-/14: J2#4.16 U4#10.17
Board_6-/15: J2#4.17 U4#10.18
Board_6-/16: J2#4.18 U4#10.27
Board_6-/20_SDI: J2#4.21 U4#10.31
Board_6-/21_CS: J2#4.19 U4#10.32
Board_6-/22_SCK: J2#4.22 U4#10.34
Board_6-/23_SDO: J2#4.20 U4#10.35
Board_6-/A0: J2#4.23 U4#10.38
Board_6-/A1: J2#4.24 U4#10.39
Board_6-/A2: J2#4.25 U4#10.40
Board_6-/A3: J2#4.26 U4#10.41
Board_6-/BOOT: Q2#10.3 R9#7.2
Board_6-/D+: R12#8.2 U4#10.47
Board_6-/D-: R13#3.2 U4#10.46
Board_6-/LED: D2#3.2 U4#10.28
Board_6-/PORT+: J1#2.A6 J1#2.B6 J2#4.34 U1#5.6
Board_6-/PORT-: J1#2.A7 J1#2.B7 J2#4.33 U1#5.4
Board_6-/QSPI_CLK: U3#7.6 U4#10.52
Board_6-/QSPI_CS: R9#7.1 R11#7.2 U3#7.1 U4#10.56
Board_6-/QSPI_SD0: U3#7.5 U4#10.53
Board_6-/QSPI_SD1: U3#7.2 U4#10.55
Board_6-/QSPI_SD2: U3#7.3 U4#10.54
Board_6-/QSPI_SD3: U3#7.7 U4#10.51
Board_6-/RAW: J2#4.30 JP2.2
Board_6-/RESET: J2#4.28 Q1#5.2 R1#6.2 SW1#2.2
Board_6-/RGB_5V: J2#4.32 U5#2.4
Board_6-/RGB_DO: U4#10.37 U5#2.3
Board_6-/RST: Q1#5.3 R3#7.2 U4#10.26
Board_6-/SWD_CLK: TP1#7.1 U4#10.24
Board_6-/SWD_IO: TP2#9.1 U4#10.25
Board_6-/USB+: R12#8.1 U1#5.1
Board_6-/USB-: R13#3.1 U1#5.3
Board_6-GND: C1#7.2 C2#5.2 C3.2 C4#2.2 C5.2 C6#7.2 C7.1 C8#6.1 C9#5.1 C10#5.1 C11#9.2 C12#10.2 C13.2 C14#6.2 C15#7.2 C16.2 C17.2 C18#10.2 C19#2.2 FB1#7.2 J1#2.A1 J1#2.A12 J1#2.B1 J1#2.B12 J2#4.4 J2#4.5 J2#4.29 Q1#5.1 Q1#5.4 Q2#10.4 R6#2.2 R7#7.1 R8#8.1 R10#8.2 R15#3.2 R17#5.2 SW1#2.1 U1#5.2 U2#5.2 U2#5.5 U3#7.4 U3#7.9 U4#10.19 U4#10.57 U5#2.2 Y1#5.2 Y1#5.4
Board_6-Net-(C8-Pad2): C8#6.2 R14#2.1 Y1#5.1
Board_6-Net-(D1-A): D1#10.2 JP1.2
Board_6-Net-(D1-K): D1#10.1 R10#8.1
Board_6-Net-(D2-K): D2#3.1 R15#3.1
Board_6-Net-(D3-A): D3#2.2 F1#5.2
Board_6-Net-(J1-CC1): J1#2.A5 R7#7.2
Board_6-Net-(J1-CC2): J1#2.B5 R8#8.2
Board_6-Net-(J1-SHIELD): FB1#7.1 J1#2.S1
Board_6-Net-(Q1A-D): Q1#5.5 Q1#5.6 Q2#10.1 Q2#10.2 R2#8.2
Board_6-Net-(Q2A-D): Q2#10.6 R4#7.1
Board_6-Net-(Q2B-G): C1#7.1 C2#5.1 Q2#10.5 R4#7.2 R5.1
Board_6-Net-(R5-Pad2): R5.2 R6#2.1
Board_6-Net-(U4-XTAL_IN): C7.2 U4#10.20 Y1#5.3
Board_6-Net-(U4-XTAL_OUT): R14#2.2 U4#10.21
Board_6-unconnected-(J1-SBU1-PadA8): J1#2.A8
Board_6-unconnected-(J1-SBU2-PadB8): J1#2.B8
Board_6-unconnected-(U4-GPIO18-Pad29): U4#10.29
Board_6-unconnected-(U4-GPIO24-Pad36): U4#10.36
Board_6-VBUS: C3.1 F1#5.1 J1#2.A4 J1#2.A9 J1#2.B4 J1#2.B9 JP2.3 R16#5.1
Board_7-+1V1: C10#9.2 C17#2.1 C19.1 U4#8.23 U4#8.45 U4#8.50
Board_7-+3V3: C5#2.1 C6.1 C9#6.2 C11#6.1 C12.1 C13#2.1 C14#7.1 C15#2.1 C16#4.1 C18#8.1 J2#2.27 JP1#4.1 R1#9.1 R2#9.1 R3#10.1 R11#8.1 U2#3.1 U3#2.8 U4#8.1 U4#8.10 U4#8.22 U4#8.33 U4#8.42 U4#8.43 U4#8.44 U4#8.48 U4#8.49 U5#4.1 U5#4.5
Board_7-+5V: C4#3.1 D3#5.1 JP2#4.1 U1#7.5 U2#3.3 U2#3.4 U5#4.6
Board_7-/0_TX0: J2#2.2 U4#8.2
Board_7-/1_RX0: J2#2.3 U4#8.3
Board_7-/2_SDA1: J2#2.6 U4#8.4
Board_7-/3_SCL1: J2#2.7 U4#8.5
Board_7-/4: J2#2.8 U4#8.6
Board_7-/5: J2#2.9 U4#8.7
Board_7-/6: J2#2.10 U4#8.8
Board_7-/7: J2#2.11 U4#8.9
Board_7-/8: J2#2.12 U4#8.11
Board_7-/9: J2#2.13 U4#8.12
Board_7-/10: J2#2.1 U4#8.13
Board_7-/11: J2#2.31 U4#8.14
Board_7-/12: J2#2.14 U4#8.15
Board_7-/13: J2#2.15 U4#8.16
Board_7-/14: J2#2.16 U4#8.17
Board_7-/15: J2#2.17 U4#8.18
Board_7-/16: J2#2.18 U4#8.27
Board_7-/20_SDI: J2#2.21 U4#8.31
Board_7-/21_CS: J2#2.19 U4#8.32
Board_7-/22_SCK: J2#2.22 U4#8.34
Board_7-/23_SDO: J2#2.20 U4#8.35
Board_7-/A0: J2#2.23 U4#8.38
Board_7-/A1: J2#2.24 U4#8.39
Board_7-/A2: J2#2.25 U4#8.40
Board_7-/A3: J2#2.26 U4#8.41
Board_7-/BOOT: Q2.3 R9#9.2
Board_7-/D+: R12#9.2 U4#8.47
Board_7-/D-: R13#8.2 U4#8.46
Board_7-/LED: D2#2.2 U4#8.28
Board_7-/PORT+: J1#6.A6 J1#6.B6 J2#2.34 U1#7.6
Board_7-/PORT-: J1#6.A7 J1#6.B7 J2#2.33 U1#7.4